# KiCad board audio-latency-tester-board.kicad_pcb (continued)
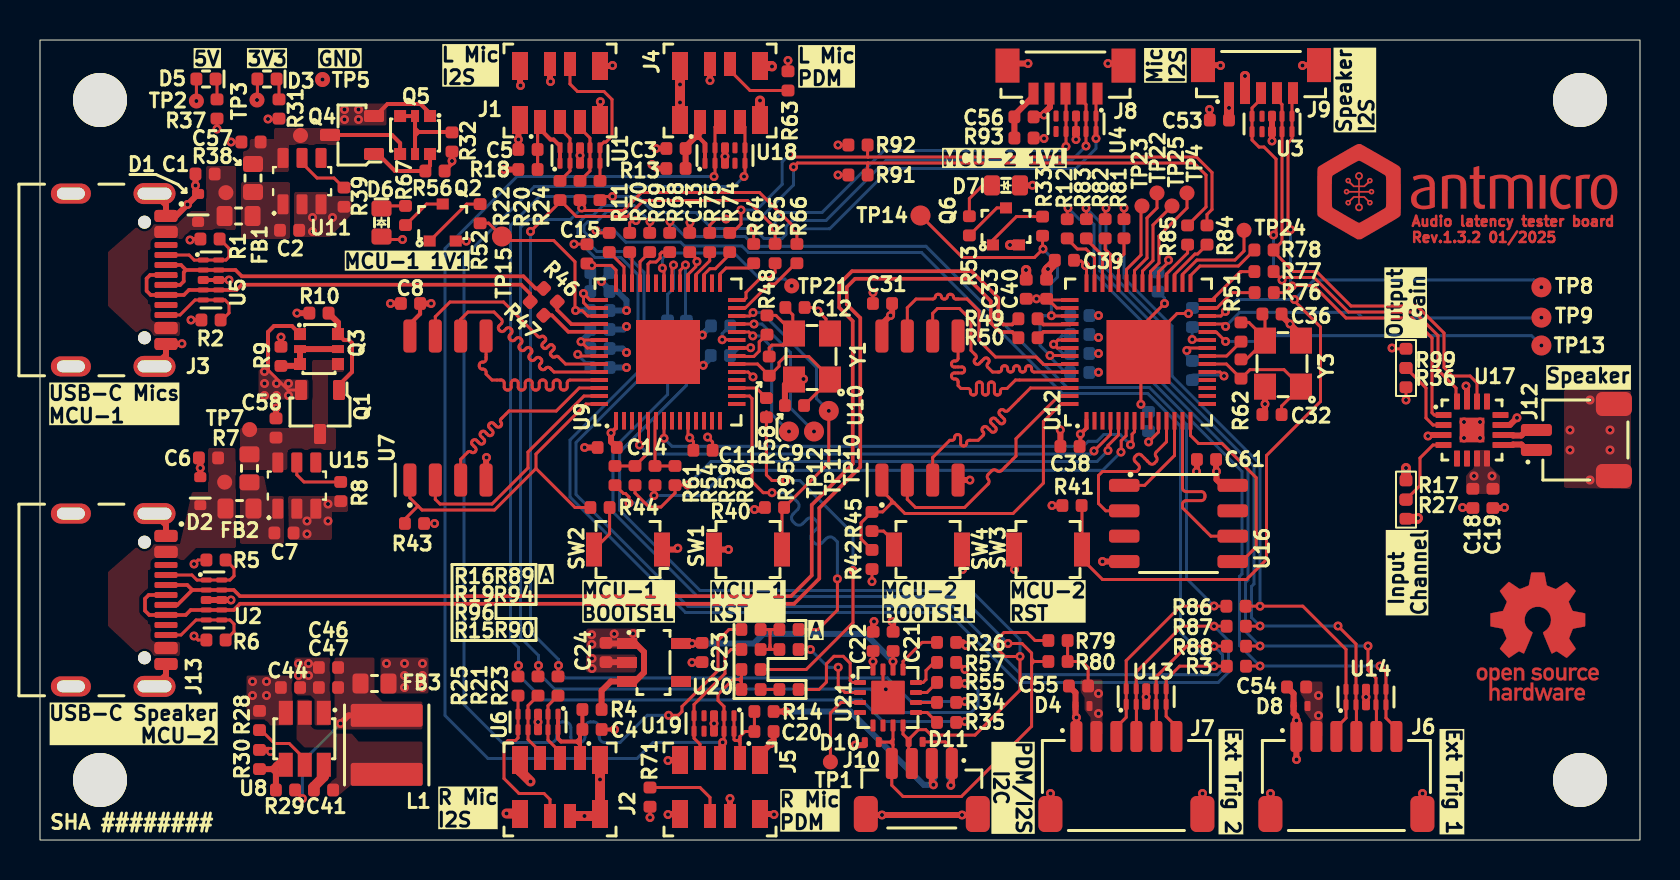
[diagram p0: board, top side]
## Library data of the parts (continued)
U7 = -: Datasheet: https://www.winbond.com/resource-files/w25q128jv%20revf%2003272018%20plus.pdf; Description: FLASH - NOR Memory IC 128Mbit SPI - Quad I/O, QPI 104 MHz 8-SOIC; Manufacturer: Winbond; MPN: W25Q128JVSIQ; Author: Antmicro; License: Apache-2.0; Field9: Author: Antmicro; Field10: License: Apache-2.0
U8 = -: Datasheet: https://www.diodes.com/assets/Datasheets/AP62300_AP62301_AP62300T.pdf; Description: DC-DC Switching Synchronous Buck Regulator, Adjustable, 4.2V-18Vin, 0.8V-7V/3A out, TSOT-26-6; MPN: AP62301WU-7; Manufacturer: Diodes Incorporated; Author: Antmicro; License: Apache-2.0; Field8: Author: Antmicro; Field9: License: Apache-2.0
U9 = -: Datasheet: https://datasheets.raspberrypi.com/rp2040/rp2040-datasheet.pdf; Description: ARM MCU, Raspberry Pi, Dual ARM Cortex-M0+, 32 bit, 133MHz, 264 KB; Manufacturer: Raspberry Pi; Author: Antmicro; License: Apache-2.0; Field9: License: Apache-2.0; Field10: Author: Antmicro
U10 = -: Datasheet: https://www.winbond.com/resource-files/w25q128jv%20revf%2003272018%20plus.pdf; Description: FLASH - NOR Memory IC 128Mbit SPI - Quad I/O, QPI 104 MHz 8-SOIC; Manufacturer: Winbond; MPN: W25Q128JVSIQ; Author: Antmicro; License: Apache-2.0; Field8: Author: Antmicro; Field9: License: Apache-2.0
U11 U15 = -: Datasheet: https://www.diodes.com/assets/Datasheets/AP22652_53_52A_53A.pdf; Description: Power Switch/Driver 1:1 P-Channel 2.1A SOT-26; Manufacturer: Diodes Incorporated; MPN: AP22652W6-7; Author: Antmicro; License: Apache-2.0; Field8: License: Apache-2.0; Field9: Author: Antmicro
U12 = -: Datasheet: https://datasheets.raspberrypi.com/rp2040/rp2040-datasheet.pdf; Description: ARM MCU, Raspberry Pi, Dual ARM Cortex-M0+, 32 bit, 133MHz, 264 KB; Manufacturer: Raspberry Pi; Author: Antmicro; License: Apache-2.0; Field8: Author: Antmicro; Field9: License: Apache-2.0
U13 = -: Datasheet: https://www.ti.com/lit/ds/symlink/tpd4e05u06-q1.pdf?HQS=dis-mous-null-mousermode-dsf-pf-null-wwe&ts=1663591265741&ref_url=https%253A%252F%252Fwww.mouser.com%252F; Description: TVS diode array, 12 kV, USON-10, 5.5 V, 0.5 pF; Manufacturer: Texas Instruments; Author: Antmicro; License: Apache-2.0; Field8: Author: Antmicro; Field9: License: Apache-2.0
U14 U18 = -: Datasheet: https://www.ti.com/lit/ds/symlink/tpd4e05u06-q1.pdf?HQS=dis-mous-null-mousermode-dsf-pf-null-wwe&ts=1663591265741&ref_url=https%253A%252F%252Fwww.mouser.com%252F; Description: TVS diode array, 12 kV, USON-10, 5.5 V, 0.5 pF; Manufacturer: Texas Instruments; Author: Antmicro; License: Apache-2.0; Field8: Author: Antmicro; Field10: License: Apache-2.0
U16 = -: Datasheet: https://www.issi.com/WW/pdf/66-67WVS4M8ALL-BLL.pdf; Description: SPI, SRAM 32Mb, SerialRAM, 2.7V-3.6V, 104MHz, 8 pin SOIC 150 mil; Manufacturer: ISSI; Author: Antmicro; License: Apache-2.0; Field8: Author: Antmicro; Field9: License: Apache-2.0
U17 = -: Datasheet: https://www.analog.com/media/en/technical-documentation/data-sheets/max98357a-max98357b.pdf; Description: I2S Class D Amplifier, 2.5V to 5.5V, 3.2W into 4Ω at 5V, TQFN-16; Manufacturer: Analog Devices; MPN: MAX98357AETE+T; Author: Antmicro; License: Apache-2.0; Field8: Author: Antmicro; Field9: License: Apache-2.0
U20 = -: Datasheet: https://www.ti.com/lit/ds/symlink/tlv733p.pdf; Description: Fixed LDO Voltage Regulator, 1.4V to 5.5V, 122mV Dropout, 1.8Vout, 300mAout, SOT-23-5; Manufacturer: Texas Instruments; Author: Antmicro; License: Apache-2.0; Field9: License: Apache-2.0; Field10: Author: Antmicro
U21 = -: Datasheet: https://eu.mouser.com/datasheet/2/609/ADAU7118-1605375.pdf; Description: 8-Channel PDM to I2S/TDM Converter, VQFN-16,  Hardware controlable; Author: Antmicro; License: Apache-2.0; Manufacturer: Analog Devices; Field8: License: Apache-2.0; Field9: Author: Antmicro
Y1 = -: Datasheet: https://abracon.com/Resonators/ABM8G.pdf; Description: Crystal, 12 MHz, SMT, 3.2mm x 2.5mm, 30 ppm, 18 pF, 20 ppm, ABM8G; MPN: ABM8G-12.000MHZ-18-D2Y-T; Manufacturer: Abracon; Author: Antmicro; License: Apache-2.0; Val: 12 MHz; Field9: License: Apache-2.0; Field11: Author: Antmicro
Y3 = -: Datasheet: https://abracon.com/Resonators/ABM8G.pdf; Description: Crystal, 12 MHz, SMT, 3.2mm x 2.5mm, 30 ppm, 18 pF, 20 ppm, ABM8G; MPN: ABM8G-12.000MHZ-18-D2Y-T; Manufacturer: Abracon; Author: Antmicro; License: Apache-2.0; Val: 12 MHz; Field9: Author: Antmicro; Field10: License: Apache-2.0

## Footprints (pads in the part's own frame, mm; a bottom-side part is the same pattern mirrored in y, then rotated)
C_0402_1005Metric
  rrect 0.59x0.64 smd: 1(-0.48,0) 2(0.48,0)
Conn_FFC_Molex_5019510550
  rect 1.2x0.6 smd: 1(-1.575,1) 2(1.325,0.5) 3(-1.575,0) 4(1.325,-0.5) 5(-1.575,-1)
  rect 1.4x0.8 smd: MP(-1.475,2) MP(-1.475,-2) MP(1.225,2) MP(1.225,-2)
Conn_JST_SH_1x2_SM02B-SRSS-TB-LF-SN
  rrect 0.6x1.55 smd: 1(-0.5,1.975) 2(0.5,1.975)
  rrect 1.2x1.8 smd: MP(-1.8,-1.9) MP(1.8,-1.9)
Conn_JST_SH_1x4_BM04B-SRSS-TB-LF-SN
  rrect 1.55x0.6 smd: 1(-1.45,1.5) 2(-1.45,0.5) 3(-1.45,-0.5) 4(-1.45,-1.5)
  rrect 1.8x1.2 smd: MP(1.075,2.8) MP(1.075,-2.8)
Conn_JST_SH_1x6_SM06B-SRSS-TB-LF-SN
  rrect 0.6x1.55 smd: 1(-2.5,2.1) 2(-1.5,2.1) 3(-0.5,2.1) 4(0.5,2.1) 5(1.5,2.1) 6(2.5,2.1)
  rrect 1.2x1.8 smd: MP(-3.8,-1.775) MP(3.8,-1.775)
Conn_JST_SUR_1x5_BM05B-SURS-TF-LF-SN
  rect 1.092x0.5 smd: 1(-0.955,1.6) 2(-0.955,0.8) 3(-0.955,0) 4(-0.955,-0.8) 5(-0.955,-1.6)
  rect 1.7x1.2 smd: MP(0.445,2.9) MP(0.445,-2.9)
FB_0603_1608Metric
  rrect 0.8x1 smd: 1(-0.7,0) 2(0.7,0)
L_Vishay-IFSC-1515AH
  rrect 1.15x3.6 smd: 1(-1.475,0) 2(1.475,0)
LED_0402_1005Metric_G
  rrect 0.59x0.64 smd: 1(-0.48,0) 2(0.48,0)
LED_0603_1608Metric_G
  rrect 0.8x1 smd: 1(-0.7,0) 2(0.7,0)
MP_NPTH_Drill2.7mm
  round 2.7 hole 2.7 unplated: (0,0)
QFN-56-1EP_7x7mm_P0.4mm_EP3.2x3.2mm
  rect 0.875x0.2 smd: 1(-3.438,2.6) 2(-3.438,2.2) 3(-3.438,1.8) 4(-3.438,1.4) 5(-3.438,1) 6(-3.438,0.6) 7(-3.438,0.2) 8(-3.438,-0.2) 9(-3.438,-0.6) 10(-3.438,-1) 11(-3.438,-1.4) 12(-3.438,-1.8) 13(-3.438,-2.2) 14(-3.438,-2.6) 29(3.438,-2.6) 30(3.438,-2.2) 31(3.438,-1.8) 32(3.438,-1.4) 33(3.438,-1) 34(3.438,-0.6) 35(3.438,-0.2) 36(3.438,0.2) 37(3.438,0.6) 38(3.438,1) 39(3.438,1.4) 40(3.438,1.8) 41(3.438,2.2) 42(3.438,2.6)
  rect 0.2x0.875 smd: 15(-2.6,-3.438) 16(-2.2,-3.438) 17(-1.8,-3.438) 18(-1.4,-3.438) 19(-1,-3.438) 20(-0.6,-3.438) 21(-0.2,-3.438) 22(0.2,-3.438) 23(0.6,-3.438) 24(1,-3.438) 25(1.4,-3.438) 26(1.8,-3.438) 27(2.2,-3.438) 28(2.6,-3.438) 43(2.6,3.438) 44(2.2,3.438) 45(1.8,3.438) 46(1.4,3.438) 47(1,3.438) 48(0.6,3.438) 49(0.2,3.438) 50(-0.2,3.438) 51(-0.6,3.438) 52(-1,3.438) 53(-1.4,3.438) 54(-1.8,3.438) 55(-2.2,3.438) 56(-2.6,3.438)
  rect 3.2x3.2 smd: 57(0,0)
R_0402_1005Metric
  rrect 0.59x0.64 smd: 1(-0.48,0) 2(0.48,0)
R_0603_1608Metric
  rrect 0.8x1 smd: 1(-0.7,0) 2(0.7,0)
Resonator_SMD_Abracon_ABM8G_3.2x2.5mm
  rrect 1.3x1.1 smd: 1(-1.101,-0.949)
  rect 1.3x1.1 smd: 2(1.199,-0.949) 3(1.199,0.85) 4(-1.101,0.85)
SOD-523
  rrect 0.5x0.6 smd: 1(-0.701,0) 2(0.699,0)
SOIC-8_3.9x4.9x1.75mm_P1.27mm
  rrect 1.525x0.65 smd: 1(-2.714,1.905) 2(-2.714,0.635) 3(-2.714,-0.632) 4(-2.714,-1.902) 5(2.712,-1.902) 6(2.712,-0.632) 7(2.712,0.635) 8(2.712,1.905)
SOIC-8_5.3x5.3x2mm_P1.27mm
  rrect 1.65x0.65 smd: 1(-3.601,1.905) 2(-3.601,0.635) 3(-3.601,-0.633) 4(-3.601,-1.904) 5(3.6,-1.904) 6(3.6,-0.633) 7(3.6,0.635) 8(3.6,1.905)
SOT-23-3
  rrect 1x0.6 smd: 1(-1.1,0.951) 2(-1.1,-0.949) 3(1.1,0.001)
SOT-23-5
  rect 1x0.55 smd: 1(-1.351,0.951) 2(-1.351,0) 3(-1.351,-0.949) 4(1.35,-0.949) 5(1.35,0.951)
SOT-23-6
  rrect 0.55x1 smd: 1(-0.954,-1.1) 2(-0.003,-1.1) 3(0.947,-1.1) 4(0.947,1.214) 5(-0.003,1.214) 6(-0.954,1.214)
SOT-323
  rect 0.55x0.6 smd: 1(-0.927,0.652) 2(-0.927,-0.65) 3(0.925,0)
SOT-363
  custom 0.6x0.6 smd: 1(-0.948,0.752) 3(-0.948,-0.745) 4(0.951,-0.745) 6(0.951,0.752)
  rect 0.6x0.4 smd: 2(-0.948,0.002) 5(0.951,0.002)
SW_B3U-1000P_SMD
  rect 0.8x1.7 smd: 1(-1.7,0) 2(1.7,0)
TP_SMD_0.75mm
  round 0.75 smd: 1(0,0)
TP_SMD_1mm
  round 1 smd: 1(0,0)
TQFN-16-1EP_3x3mm_P0.5mm
  rrect 0.8x0.3 smd: 1(-1.425,0.75) 2(-1.425,0.25) 3(-1.425,-0.25) 4(-1.425,-0.75) 9(1.425,-0.75) 10(1.425,-0.25) 11(1.425,0.25) 12(1.425,0.75)
  rrect 0.3x0.8 smd: 5(-0.75,-1.425) 6(-0.25,-1.425) 7(0.25,-1.425) 8(0.75,-1.425) 13(0.75,1.425) 14(0.25,1.425) 15(-0.25,1.425) 16(-0.75,1.425)
  rect 1.23x1.23 smd: 17(0,0)
TSOT23-6
  rect 1.2x0.7 smd: 1(-1.301,0.947) 2(-1.301,-0.004) 3(-1.301,-0.954) 4(1.299,-0.954) 5(1.299,-0.004) 6(1.299,0.947)
USB-C_Receptacle_GCT_USB4105-GF-A
  round 0.65 hole 0.65 unplated: (-2.891,2.426) (2.89,2.426)
  rrect 0.6x1.15 smd: A1(-3.202,3.5) A4(-2.4,3.5) A9(2.398,3.5) A12(3.2,3.5) B1(3.2,3.5) B4(2.398,3.5) B9(-2.4,3.5) B12(-3.202,3.5)
  rrect 0.3x1.15 smd: A5(-1.25,3.5) A6(-0.25,3.5) A7(0.248,3.5) A8(1.249,3.5) B5(1.749,3.5) B6(0.748,3.5) B7(-0.75,3.5) B8(-1.75,3.5)
  oval 1.05x2.1 hole 0.6x1.7: SH(-4.321,2.926) SH(4.32,2.926)
  oval 1x2 hole 0.6x1.4: SH(-4.321,-1.255) SH(4.32,-1.255)
USON-10_2.5x1mm_P0.5mm
  rrect 0.55x0.25 smd: 1(-0.387,1) 2(-0.387,0.5) 4(-0.387,-0.498) 5(-0.387,-0.998) 6(0.385,-0.998) 7(0.385,-0.498) 9(0.385,0.5) 10(0.385,1)
  rrect 0.55x0.4 smd: 3(-0.387,0) 8(0.385,0)
VQFN-16-1EP_3x3mm_P0.5mm_EP1.68x1.68mm
  rrect 0.6x0.25 smd: 1(-1.4,0.75) 2(-1.4,0.25) 3(-1.4,-0.25) 4(-1.4,-0.75) 9(1.4,-0.75) 10(1.4,-0.25) 11(1.4,0.25) 12(1.4,0.75)
  rrect 0.25x0.6 smd: 5(-0.75,-1.4) 6(-0.25,-1.4) 7(0.25,-1.4) 8(0.75,-1.4) 13(0.75,1.4) 14(0.25,1.4) 15(-0.25,1.4) 16(-0.75,1.4)
  rrect 1.68x1.68 smd: 17(0,0)
XDFN-2_1x0.60mm
  rrect 0.3x0.5 smd: 1(-0.351,0) 2(0.349,0)

## Nets
+1V8: C21.2 C23.2 U20.5 U21.14
+3V3: C8.2 C10.2 C11.2 C13.2 C14.2 C15.2 C16.2 C22.2 C24.2 C28.2 C29.2 C31.2 C33.2 C34.2 C37.2 C38.2 C39.2 C40.2 C43.2 C50.2 C53.2 C54.2 C55.2 C59.2 C60.2 C61.2 D3.2 D4.2 D6.2 D7.2 D8.2 D9.2 FB3.2 J6.2 J7.2 J9.1 J10.2 R4.2 R13.2 R14.2 R18.2 R26.2 R40.1 R41.1 R42.1 R43.1 R79.2 R80.2 R91.2 R92.2 R93.2 TP3.1 U7.8 U9.1 U9.10 U9.22 U9.33 U9.42 U9.43 U9.44 U9.48 U9.49 U10.8 U12.1 U12.10 U12.22 U12.33 U12.42 U12.43 U12.44 U12.48 U12.49 U16.8 U20.1 U20.3 U21.16
+5V: C18.2 C19.2 C44.2 D5.2 Q1.2 Q3.1 Q4.2 Q5.1 R27.2 R28.1 R99.2 TP2.1 U8.3 U17.7 U17.8
/RP2040 - 1/+1V1_MCU1: C17.2 C30.2 C35.2 R52.1 TP15.1 U9.23 U9.45 U9.50
/RP2040 - 2/+1V1_MCU2: C42.2 C51.2 C52.2 R33.1 TP14.1 U12.23 U12.45 U12.50
GND: C1.1 C2.1 C3.1 C4.1 C5.1 C6.1 C7.1 C8.1 C9.1 C10.1 C11.1 C12.1 C13.1 C14.1 C15.1 C16.1 C17.1 C18.1 C19.1 C20.1 C21.1 C22.1 C23.1 C24.1 C28.1 C29.1 C30.1 C31.1 C32.1 C33.1 C34.1 C35.1 C36.1 C37.1 C38.1 C39.1 C40.1 C42.1 C43.1 C44.1 C46.1 C47.1 C50.1 C51.1 C52.1 C53.1 C54.1 C55.1 C56.1 C57.1 C58.1 C59.1 C60.1 C61.1 D1.2 D2.2 D4.1 D8.1 D9.1 D10.1 D11.1 J1.2 J1.MP J2.2 J2.MP J3.A1 J3.A12 J3.B1 J3.B12 J3.SH J4.2 J4.MP J5.2 J5.MP J6.1 J6.MP J7.1 J7.MP J8.2 J8.MP J9.2 J9.MP J10.1 J10.MP J12.MP J13.A1 J13.A12 J13.B1 J13.B12 J13.SH Q2.2 Q6.2 R1.2 R2.2 R5.2 R6.2 R8.1 R9.1 R10.1 R17.1 R30.1 R31.1 R32.1 R36.1 R37.2 R39.1 R56.1 R57.1 R63.1 R71.1 SW1.1 SW2.1 SW3.1 SW4.1 TP5.1 U1.3 U1.8 U2.3 U2.8 U3.3 U3.8 U4.3 U4.8 U5.3 U5.8 U6.3 U6.8 U7.4 U8.1 U9.19 U9.57 U10.4 U11.2 U11.3 U12.19 U12.57 U13.3 U13.8 U14.3 U14.8 U15.2 U15.3 U16.4 U17.3 U17.11 U17.15 U17.17 U18.3 U18.8 U19.3 U19.8 U20.2 U21.15 U21.17 Y1.2 Y1.4 Y3.2 Y3.4
/2xUSB + Power/USB1.D_N: J3.A7 J3.B7 R46.1 U5.2 U5.9
/2xUSB + Power/USB1.D_P: J3.A6 J3.B6 R47.1 U5.4 U5.7
/2xUSB + Power/USB1_CC1: J3.A5 R1.1 U5.1 U5.10
/2xUSB + Power/USB1_CC2: J3.B5 R2.1 U5.5 U5.6
/2xUSB + Power/USB1_VBUS: C57.2 Q4.3 Q5.4 R38.2 TP6.1 U11.6
/2xUSB + Power/USB2.D_N: J13.A7 J13.B7 R49.1 U2.2 U2.9
/2xUSB + Power/USB2.D_P: J13.A6 J13.B6 R50.1 U2.4 U2.7
/2xUSB + Power/USB2_CC1: J13.A5 R5.1 U2.1 U2.10
/2xUSB + Power/USB2_CC2: J13.B5 R6.1 U2.5 U2.6
/2xUSB + Power/USB2_VBUS: C58.2 Q1.3 Q3.4 R7.2 TP7.1 U15.6
/AMP + Speaker Connector/GAIN: R36.2 R99.1 U17.2
/AMP + Speaker Connector/I2S.SCK: J9.3 R77.2 U3.5 U3.6 U17.16
/AMP + Speaker Connector/I2S.SD: J9.5 R76.2 U3.1 U3.10 U17.1
/AMP + Speaker Connector/I2S.WS: J9.4 R78.2 U3.2 U3.9 U17.14
/AMP + Speaker Connector/SPK_N: J12.2 U17.10
/AMP + Speaker Connector/SPK_P: J12.1 U17.9
/AMP + Speaker Connector/~{SD_MODE}: R17.2 R27.1 U17.4
/IO/TRIGGER1.TRIG1: J6.3 R81.2 R86.1 U14.1 U14.10
/IO/TRIGGER1.TRIG2: J6.4 R82.2 R87.1 U14.2 U14.9
/IO/TRIGGER1.TRIG3: J6.5 R83.2 R88.1 U14.4 U14.7
/IO/TRIGGER1.TRIG4: J6.6 R3.1 R12.2 U14.5 U14.6
/IO/TRIGGER2.TRIG1: J7.3 R68.2 R86.2 U13.1 U13.10
/IO/TRIGGER2.TRIG2: J7.4 R69.2 R87.2 U13.2 U13.9
/IO/TRIGGER2.TRIG3: J7.5 R70.2 R88.2 U13.4 U13.7
/IO/TRIGGER2.TRIG4: J7.6 R3.2 R11.2 U13.5 U13.6
/L + R I2S Microphone Connectors/L-BCLK: J1.3 R22.1 U1.2 U1.9
/L + R I2S Microphone Connectors/L-DATA: J1.5 R20.1 U1.4 U1.7
/L + R I2S Microphone Connectors/L-PWR: C5.2 J1.1 R18.1 U1.1 U1.10
/L + R I2S Microphone Connectors/L-R-Mic.SCK: J8.3 R22.2 R23.2 R34.2 R65.2 U4.4 U4.7
/L + R I2S Microphone Connectors/L-R-Mic.SD: J8.5 R20.2 R21.2 R55.2 R66.2 U4.1 U4.10
/L + R I2S Microphone Connectors/L-R-Mic.WS: J8.4 R24.2 R25.2 R35.2 R64.2 U4.2 U4.9
/L + R I2S Microphone Connectors/L-WS: J1.4 R24.1 U1.5 U1.6
/L + R I2S Microphone Connectors/R-BCLK: J2.3 R23.1 U6.2 U6.9
/L + R I2S Microphone Connectors/R-DATA: J2.5 R21.1 U6.4 U6.7
/L + R I2S Microphone Connectors/R-PWR: C4.2 J2.1 R4.1 U6.1 U6.10
/L + R I2S Microphone Connectors/R-WS: J2.4 R25.1 U6.5 U6.6
/L + R PDM Microphone Connectors + I2S Converter/I2C.SCL: D10.2 J10.4 R73.2 R80.1 U21.7
/L + R PDM Microphone Connectors + I2S Converter/I2C.SDA: D11.2 J10.3 R72.2 R79.1 U21.8
/L + R PDM Microphone Connectors + I2S Converter/L-PDM-DATA: J4.5 R16.1 U18.5 U18.6
/L + R PDM Microphone Connectors + I2S Converter/L-PWR: C3.2 J4.1 R13.1 U18.1 U18.10
/L + R PDM Microphone Connectors + I2S Converter/L-R-Mic.CLOCK: R95.2 R96.1
/L + R PDM Microphone Connectors + I2S Converter/L-R-Mic.DATA: R89.2 U9.16
/L + R PDM Microphone Connectors + I2S Converter/PDM-CLK: J4.3 J5.3 R15.2 R96.2 U18.2 U18.9 U19.2 U19.9
/L + R PDM Microphone Connectors + I2S Converter/PDM-CONV-CLOCK: R15.1 R90.1
/L + R PDM Microphone Connectors + I2S Converter/PDM-CONV-DATA: R94.1 U21.2
/L + R PDM Microphone Connectors + I2S Converter/R-PDM-DATA: J5.5 R19.1 U19.5 U19.6
/L + R PDM Microphone Connectors + I2S Converter/R-PWR: C20.2 J5.1 R14.1 U19.1 U19.10
/RP2040 - 1/BOOTSEL: R44.1 SW2.2
/RP2040 - 1/I2C0.SCL: R75.2 R85.2 R91.1
/RP2040 - 1/I2C0.SDA: R74.2 R84.2 R92.1
/RP2040 - 1/QSPI_CSn: R43.2 R44.2 U7.1 U9.56
/RP2040 - 1/QSPI_SCLK: U7.6 U9.52
/RP2040 - 1/QSPI_SD0: U7.5 U9.53
/RP2040 - 1/QSPI_SD1: U7.2 U9.55
/RP2040 - 1/QSPI_SD2: U7.3 U9.54
/RP2040 - 1/QSPI_SD3: U7.7 U9.51
/RP2040 - 1/RUN: R40.2 SW1.2 TP10.1 U9.26
/RP2040 - 1/SPI0.MISO: R59.2 R61.2 U12.6
/RP2040 - 1/SPI0.MOSI: R54.2 R60.2 U12.5
/RP2040 - 1/SPI0.SCK: U9.4 U12.4
/RP2040 - 1/SPI0.~{CS0}: U9.7 U12.7
/RP2040 - 1/SWCLK: TP12.1 U9.24
/RP2040 - 1/SWDIO: TP11.1 U9.25
/RP2040 - 1/XIN: C9.2 R58.1 U9.20 Y1.1
/RP2040 - 1/XOUT: R48.2 U9.21
/RP2040 - 1/XOUT_R: C12.2 R48.1 R58.2 Y1.3
/RP2040 - 2/BOOTSEL: R45.1 SW4.2
/RP2040 - 2/I2C1.SCL: TP25.1 U12.35
/RP2040 - 2/I2C1.SDA: TP4.1 U12.34
/RP2040 - 2/QSPI_CSn: R42.2 R45.2 U10.1 U12.56
/RP2040 - 2/QSPI_SCLK: U10.6 U12.52
/RP2040 - 2/QSPI_SD0: U10.5 U12.53
/RP2040 - 2/QSPI_SD1: U10.2 U12.55
/RP2040 - 2/QSPI_SD2: U10.3 U12.54
/RP2040 - 2/QSPI_SD3: U10.7 U12.51
/RP2040 - 2/RUN: R41.2 SW3.2 TP8.1 U12.26
/RP2040 - 2/SPI1.MISO: U12.11 U16.2
/RP2040 - 2/SPI1.MOSI: U12.14 U16.5
/RP2040 - 2/SPI1.SCK: U12.13 U16.6
/RP2040 - 2/SPI1.~{CS0}: U12.12 U16.1
/RP2040 - 2/SWCLK: TP13.1 U12.24
/RP2040 - 2/SWDIO: TP9.1 U12.25
/RP2040 - 2/XIN: C32.2 R62.1 U12.20 Y3.1
/RP2040 - 2/XOUT: R51.2 U12.21
/RP2040 - 2/XOUT_R: C36.2 R51.1 R62.2 Y3.3
Net-(C46-Pad2): C46.2 C47.2 FB3.1 L1.2 R29.2
Net-(C56-Pad2): C56.2 J8.1 R93.1
Net-(D1-C): C1.2 D1.1 FB1.1 J3.A4 J3.A9 J3.B4 J3.B9 TP16.1
Net-(D2-C): C6.2 D2.1 FB2.1 J13.A4 J13.A9 J13.B4 J13.B9 TP17.1
Net-(D3-C): D3.1 R31.2
Net-(D5-C): D5.1 R37.1
Net-(D6-C): D6.1 R67.2
Net-(D7-C): D7.1 R53.2
Net-(J4-Pad4): J4.4 R63.2
Net-(J5-Pad4): J5.4 R71.2
Net-(Q1-G): Q1.1 Q3.6 R10.2
Net-(Q2-B): Q2.1 R52.2
Net-(Q2-C): Q2.3 R67.1
Net-(Q3-Pad2): Q3.2 Q3.3 Q3.5 R9.2
Net-(Q4-G): Q4.1 Q5.6 R56.2
Net-(Q5-Pad2): Q5.2 Q5.3 Q5.5 R32.2
Net-(Q6-B): Q6.1 R33.2
Net-(Q6-C): Q6.3 R53.1
Net-(R16-Pad2): R16.2 R19.2 R89.1 R94.2
Net-(U8-BST): C41.1 U8.6
Net-(U8-EN): R28.2 U8.5
Net-(U8-FB): R29.1 R30.2 U8.4
Net-(U8-SW): C41.2 L1.1 U8.2
Net-(U9-GPIO3): R54.1 R61.1 U9.5
Net-(U9-GPIO4): R59.1 R60.1 U9.6
Net-(U9-GPIO14): R95.1 U9.17
Net-(U9-GPIO16): R66.1 U9.27
Net-(U9-GPIO17): R65.1 U9.28
Net-(U9-GPIO18): R64.1 U9.29
Net-(U9-GPIO20): R74.1 U9.31
Net-(U9-GPIO21): R75.1 U9.32
Net-(U9-GPIO22): R72.1 U9.34
Net-(U9-GPIO23): R73.1 U9.35
Net-(U9-GPIO24): TP21.1 U9.36
Net-(U9-GPIO26): R68.1 U9.38
Net-(U9-GPIO27): R69.1 U9.39
Net-(U9-GPIO28): R70.1 U9.40
Net-(U9-GPIO29): R11.1 U9.41
Net-(U9-USB_DM): R46.2 U9.46
Net-(U9-USB_DP): R47.2 U9.47
Net-(U11-ILIM): R39.2 U11.5
Net-(U11-IN): C2.2 FB1.2 R38.1 U11.1
Net-(U12-GPIO16): R76.1 U12.27
Net-(U12-GPIO17): R77.1 U12.28
Net-(U12-GPIO18): R78.1 U12.29
Net-(U12-GPIO19): TP24.1 U12.30
Net-(U12-GPIO20): R84.1 U12.31
Net-(U12-GPIO21): R85.1 U12.32
Net-(U12-GPIO24): TP22.1 U12.36
Net-(U12-GPIO25): TP23.1 U12.37
Net-(U12-GPIO26): R81.1 U12.38
Net-(U12-GPIO27): R82.1 U12.39
Net-(U12-GPIO28): R83.1 U12.40
Net-(U12-GPIO29): R12.1 U12.41
Net-(U12-USB_DM): R49.2 U12.46
Net-(U12-USB_DP): R50.2 U12.47
Net-(U15-ILIM): R8.2 U15.5
Net-(U15-IN): C7.2 FB2.2 R7.1 U15.1
Net-(U21-ADDR): R57.2 U21.12
Net-(U21-BCLK): R34.1 U21.10
Net-(U21-EN): R26.1 U21.13
Net-(U21-FSYNC): R35.1 U21.9
Net-(U21-PDM_CLK0): R90.2 U21.1
Net-(U21-PDM_DAT1): TP1.1 U21.3
Net-(U21-SDATA): R55.1 U21.11

Pads without a net: J3 A8 B8; J13 A8 B8; U3 4 7; U4 5 6; U9 2 3 8 9 11 12 13 14 15 18 30 37; U11 4; U12 2 3 8 9 15 16 17 18; U15 4; U16 3 7; U17 5 6 12 13; U18 4 7; U19 4 7; U20 4; U21 4 5 6

## Via types
v1: diameter 0.45, hole 0.2, Top to Bottom, 302 vias

## Routing (per net, layer and track width the routed paths; a pad name or vN(x,y) marks a point on that pad's centre or on a via; arc(x,y) is an arc through that point)
+1V8: length 12.8
  Top w0.15: C21.2 42.65,9.44 v1(42.65,8.93) U21.14
  Top w0.3: C23.2 33.07,9.83 v1(32.6,9.83) U20.5
  Bottom w0.3: v1(42.65,8.93) 41.27,10.31 36.17,10.31 35.69,9.83 v1(32.6,9.83)
+3V3: length 116.5
  Top w0.15: 55.93,27.8 55.93,28.4 56.43,28.9 v1(56.43,29) ; C40.2 50.39,27 U12.43 ; C40.2 v1(49.82,27.06) C33.2 ; C40.2 50.38,27.06 50.84,26.6 U12.44 51.53,26.6 ; R91.2 v1(39.9,33.25) ; 51.78,28.95 52.05,28.95 v1(52.28,28.72) 52.32,28.68 52.32,27.8 ; v1(18.12,30.03) 17.22,30.03 D6.2 ; 28,26.6 27.7,26.6 ; R43.1 v1(19.72,15.83) ; R93.2 50.18,35.1 v1(50.2,35.08) ; R92.2 v1(39.9,34.75) ; C13.2 32.79,29.09 32.79,28.66 32.4,28.28 32.4,27.8 ; R79.2 R80.2 52.1,8.93 52.41,8.62 C55.2 ; C11.2 32.67,19.92 v1(32.49,20.11) 32.4,20.19 32.4,21 ; 51.53,24.6 50.87,24.6 v1(50.68,24.78) 50.9,25 51.53,25 ; C22.2 41.65,9.44 v1(41.65,8.93) U21.16 ; 27.98,24.58 28,24.6 27.37,24.6 v1(27.05,24.92) 27.14,25 28,25 ; v1(55.43,19.91) 55.93,20.4 55.93,21 ; 27.38,28.72 27.59,28.72 v1(27.6,28.73) 28.57,28.73 28.8,28.5 28.8,27.8 ; D3.2 10.87,37.02 v1(10.85,37) ; 58.32,24.6 57.46,24.6 v1(57.34,24.47) ; 28,27 27.5,27 v1(27.17,27.33) 27.17,26.87 27.44,26.6 U9.44 ; 41.6,13.53 v1(41.6,12.92) ; 34.8,24.6 35.51,24.6 v1(35.53,24.61)
  Top w0.2: 51.96,19.67 52.02,19.73 v1(52.02,20.3) 52.32,20.6 52.32,21 ; 19,26.83 19,26.31 18.5,25.8 U7.8 ; 28.02,6.6 28.08,6.54 R4.2 ; 28.8,21 28.8,20.6 v1(28.55,20.36)
  Top w0.3: R13.2 30.8,33.58 v1(30.6,33.78) ; v1(46.3,9.72) 46.15,9.88 R26.2 ; v1(50.6,16.72) R41.1 ; U10.8 42.09,25.8 v1(42.53,26.22) 42.6,26.31 C31.2 ; R40.1 36.15,16.53 v1(35.72,16.53) ; U16.8 59.12,17.73 58.82,18.03 v1(58.82,18.42) 58.81,18.44 C61.2 ; R4.2 28.08,7.47 28.54,7.93 U20.3 29.75,7.93 30.2,8.38 30.2,9.4 29.77,9.83 U20.1 28.33,9.83 C24.2 ; v1(44.67,2.76) 44.59,2.84 J10.2 ; C14.2 28.55,19.92 v1(28.55,20.36) ; D7.2 49.62,32.73 v1(49.62,32.73) ; 19,26.83 v1(19.56,26.83) ; v1(37.28,6.43) R14.2 ; v1(23.2,33.53) R18.2
  Top w0.5: C53.2 v1(59.45,36.61) J9.1
  In2.Cu w0.15: v1(23.2,33.53) 19.72,37 v1(10.85,37)
  In2.Cu w0.3: v1(37.28,6.43) 37.28,7.23 39.32,9.28 41.3,9.28 v1(41.65,8.93)
  In2.Cu w0.5: v1(63.93,6.22) 63.93,8.43 62.12,10.22 62.12,12.5 58.82,15.8 v1(58.82,18.42) ; v1(50.6,16.72) 50.6,15.35 52.93,13.03 v1(52.93,6.32)
  Bottom w0.15: v1(57.34,24.47) 57.34,24.23 C37.2 ; C50.2 51.14,24.33 v1(50.68,24.78) 51.11,25.21 51.51,25.21 ; v1(27.17,27.33) 27.28,27.42 C10.2 C59.2 ; v1(56.43,29) 56.43,28.91 C43.2 ; 34.58,24.22 34.97,24.61 v1(35.53,24.61) ; C34.2 55.43,19.91 v1(55.43,19.91)
  Bottom w0.3: v1(37.28,6.43) 40.52,6.43 44.19,2.76 v1(44.67,2.76) 44.67,3.22 ; C29.2 27.52,25.38 v1(27.05,24.92) 27.18,24.92 C16.2 ; 44.67,3.07 44.74,3.15
  vias: v1(17.33,8.82) v1(18.22,8.82) v1(18.22,8.22) v1(18.22,7.62) v1(19.12,8.82) v1(19.12,8.22) v1(19.12,7.62) v1(27.58,10.26) v1(27.59,9.78) v1(28.71,10.31) v1(29.65,10.32) v1(32.85,28.93) v1(52.93,7.32) v1(63.93,7.22)
+5V: length 11.7
  Top w0.15: D5.2 v1(7.82,36.95) ; 11.4,23.5 12.4,22.5 Q1.2 ; R99.2 67.64,24.56 v1(67.6,24.6)
  Top w0.2: Q5.1 19.5,36.32 19.03,36.8 17.38,36.8 16.77,36.2 Q4.2 ; 11.4,23.5 11.4,25.4 11.7,25.7 12.6,25.7 Q3.1
  Top w0.5: R27.2 68.86,16.06 v1(68.9,16.1)
  vias: v1(10.62,7.93) v1(10.62,7.22) v1(11.22,23.42) v1(11.22,22.83) v1(11.22,22.22) v1(11.33,7.93) v1(11.33,7.22) v1(11.83,22.83) v1(11.83,22.22) v1(12.42,22.83) v1(12.42,22.22) v1(15.22,36.53) v1(15.22,36.03) v1(15.92,36.53) v1(15.92,36.03) v1(71.7,18.2) v1(72.6,18.2)
/RP2040 - 1/+1V1_MCU1: length 24
  Top w0.15: v1(26.89,24.28) 26.97,24.2 28,24.2 ; R52.1 22.02,30.84 22.43,30.84 23.3,29.97 25.69,29.97 26.75,28.91 26.75,26.5 v1(26.78,26.47) 27.11,26.47 27.39,26.2 28,26.2 ; 34.8,25 34.78,25.02 v1(34.11,25.02)
  In2.Cu w0.3: v1(34.11,25.02) 33.84,24.75 32.18,24.75 31.88,25.05 28.15,25.05 ; 28.15,25.05 28.15,25.8 27.47,26.47 v1(26.78,26.47) ; 28.15,25.05 28.15,24.8 27.63,24.28 v1(26.89,24.28)
  Bottom w0.15: C17.2 34.27,25.47 34.26,25.47 34.11,25.31 v1(34.11,25.02) ; v1(26.89,24.28) 26.89,24.26 C30.2
  Bottom w0.3: v1(26.78,26.47) C35.2
/RP2040 - 2/+1V1_MCU2: length 30.1
  Top w0.15: 51.53,26.2 50.55,26.2 v1(50.57,26.22) ; R33.1 50.13,29.57 v1(50.15,29.55) 49.72,29.12 46.12,29.12 TP14.1 ; v1(50.5,24.22) 51.5,24.22 51.53,24.2 ; v1(57.61,25.03) 57.63,25 58.32,25
  In2.Cu w0.3: 51.57,25.8 51.15,26.22 v1(50.57,26.22) ; 51.57,25.8 51.66,25.72 56.92,25.72 v1(57.61,25.03) ; 51.57,25.8 51.57,24.5 51.3,24.22 v1(50.5,24.22)
  Bottom w0.15: C42.2 57.61,25.63 v1(57.61,25.03) ; C52.2 51.51,26.22 50.58,26.22 v1(50.57,26.22) ; v1(50.57,26.22) 50.57,27.84 50.88,28.15 50.88,28.83 v1(50.15,29.55) ; v1(50.57,26.22) 50.19,26.22 50,26.03 50,24.72 v1(50.5,24.22) 50.5,24.15 51.32,23.33 51.53,23.33
GND: length 131.6
  Top w0.15: v1(26.7,29.8) 27.27,29.8 27.38,29.68 ; R37.2 v1(8.85,35.55) ; v1(56.22,26.83) 54.93,25.53 U12.57 ; U12.57 55.04,24.28 v1(55.04,21.78) ; U12.57 56.85,26.33 v1(57.43,26.33) ; 20.78,29.95 21.31,29.95 v1(21.31,29.94) ; R63.1 v1(37.4,38.97) ; 39.3,25.32 39.3,26.05 v1(38.9,26.45) 38.72,26.62 C12.1 ; U14.8 v1(66.3,7.15) U14.3 ; R31.1 11.93,36.05 v1(11.4,36.05) ; 33.63,19.75 33.63,19.89 v1(33.38,20.14) ; U4.3 U4.8 v1(51.8,35.03) ; v1(35.65,23.16) 35.41,23.4 34.8,23.4 ; R57.1 45.9,8.88 v1(46.25,8.53) ; U21.15 42.15,7.68 v1(42.29,7.53) ; C57.1 v1(9.55,34.9) ; R6.2 7.9,10 v1(7.7,10.2) ; C31.1 41.65,27.37 v1(41.65,27.38) ; 44.13,4.91 45.26,4.91 45.59,4.58 J10.1 ; v1(59.2,23.2) 59,23.4 58.32,23.4 ; v1(7.7,13.8) 7.9,14 R5.2 ; 30.5,1.66 v1(30.5,1.12) ; R36.1 v1(68.3,22)
  Top w0.2: R2.2 v1(7.55,26) ; R32.1 v1(20.6,33.95) 20.6,33.82 R56.1 ; U6.3 v1(24.9,5.9) U6.8 ; R1.2 7.55,30.05 v1(7.5,30) ; v1(9.45,28) U5.8 U5.3 ; C4.1 v1(28.72,5.53)
  Top w0.3: v1(38.18,23.05) 38.15,23.02 37.5,23.02 37.25,22.77 C9.1 ; J3.SH 6.3,24.25 J3.A12 7.08,24.8 v1(7.09,24.81) ; 51.44,7.7 51.77,7.37 D4.1 51.77,6.17 v1(51.82,6.12) 51.82,5.18 ; J9.MP 59,38.75 v1(59.03,38.72) ; v1(9.55,12) U2.3 ; v1(36.7,1.28) 36.68,1.3 J5.MP ; v1(31.89,14.59) 31.82,14.53 SW2.1 ; U19.3 v1(33.7,5.82) U19.8 ; v1(46.12,13.53) 46.12,14.5 SW4.1 ; U17.15 71.35,22.65 v1(71.3,22.7) ; v1(11.53,4.43) 11.44,4.5 R30.1 ; C36.1 62.08,26.22 v1(62.5,25.8) 63.05,25.25 Y3.2 ; v1(51.01,20.5) 51.02,20.5 51.02,19.95 ; J7.MP 58.12,2.32 v1(58.12,2.32) ; J5.MP 36,4.28 v1(36.55,4.82) 36.68,4.96 C20.1 ; v1(28.62,38.72) 28.6,38.7 J1.MP ; v1(31.4,3.97) 31.43,4 J5.MP ; J1.2 25.5,37.95 v1(25.53,37.92) ; C24.1 29.33,8.9 U20.2 ; v1(53.4,38.83) 54.07,38.83 J8.MP ; v1(63.12,38.72) 63.15,38.75 J9.MP ; v1(73.85,21.11) 73.49,20.75 U17.11 ; v1(24.03,37.72) 24,37.75 J1.MP ; v1(40.76,4.75) 41.24,4.75 ; R9.1 v1(12.05,25.14) ; U16.4 53.13,13.92 v1(53.12,13.92) ; C19.1 73.2,16.6 v1(73.22,16.62) ; C58.1 v1(11.8,21.6) ; v1(61.53,2.32) 61.52,2.32 J6.MP ; J4.2 v1(33.5,37.97) ; J13.A12 6.3,8.25 J13.SH ; C1.1 v1(7.77,32.72) 7.77,32.43 D1.2 v1(7.38,31.78) 6.8,31.2 J3.A1 6.3,31.75 J3.SH ; 70.18,20.25 69.45,20.25 v1(69.4,20.2) ; v1(71.12,16.62) 71.15,16.6 C18.1 ; v1(46.5,18) 46.49,18 U10.4 ; J13.SH 6.3,15.75 J13.A1 ; v1(41.7,10.93) 41.66,10.88 C22.1 ; C54.1 62.68,7.32 D8.1 62.68,6.35 62.82,6.21 v1(62.82,5.97) 62.82,4.03 v1(62.82,4.03) ; C13.1 32.49,30.86 v1(32.5,30.88) ; C21.1 42.66,10.87 v1(42.6,10.93) ; U18.3 v1(34.25,34.17) U18.8 ; J5.MP 31.43,1.3 v1(31.4,1.28) ; C3.1 v1(30.8,34.58) ; U1.8 v1(27,34.22) U1.3 ; SW3.1 48.72,14.5 v1(48.72,13.53) ; C56.1 49.78,36.25 v1(50.2,36.25) 50.2,36.35 50.5,36.65 50.5,37.3 50.47,37.32 ; C53.1 58.49,36.51 v1(58.47,36.53) ; C8.1 v1(17.53,26.83) ; J1.MP 23.92,35.92 v1(23.92,35.03) C5.1 ; J1.MP 28,36.9 v1(28.02,36.92) ; v1(61.6,34.95) U3.3 ; J10.1 45.59,2.78 v1(45.54,2.74) ; v1(22.33,19.12) 22.3,19.1 U7.4 ; v1(34.43,14.53) SW1.1 ; C32.1 61.25,21.4 v1(61.25,21.8) Y3.4 ; U13.3 v1(55.31,7.15) 55.31,7.56 ; v1(57.82,18.42) 57.84,18.44 C61.1 ; C23.1 32.62,8.9 v1(32.6,8.88) ; v1(69.12,2.32) 69.12,2.32 J6.MP ; v1(49.4,38.83) 48.48,38.83 J8.MP ; J7.MP 50.52,2.32 v1(50.53,2.32) ; J10.MP 46.84,1.25 v1(46.1,1.25) v1(42.1,1.25) 41.34,1.25 J10.MP ; D2.2 v1(8.01,18.6) 8.01,19.03 C6.1 ; J5.2 v1(34.5,2.07) ; R10.1 v1(12.85,26.34) ; v1(27.23,19.62) C14.1